# KiCad board ECB-4PIO.kicad_pcb (continued)
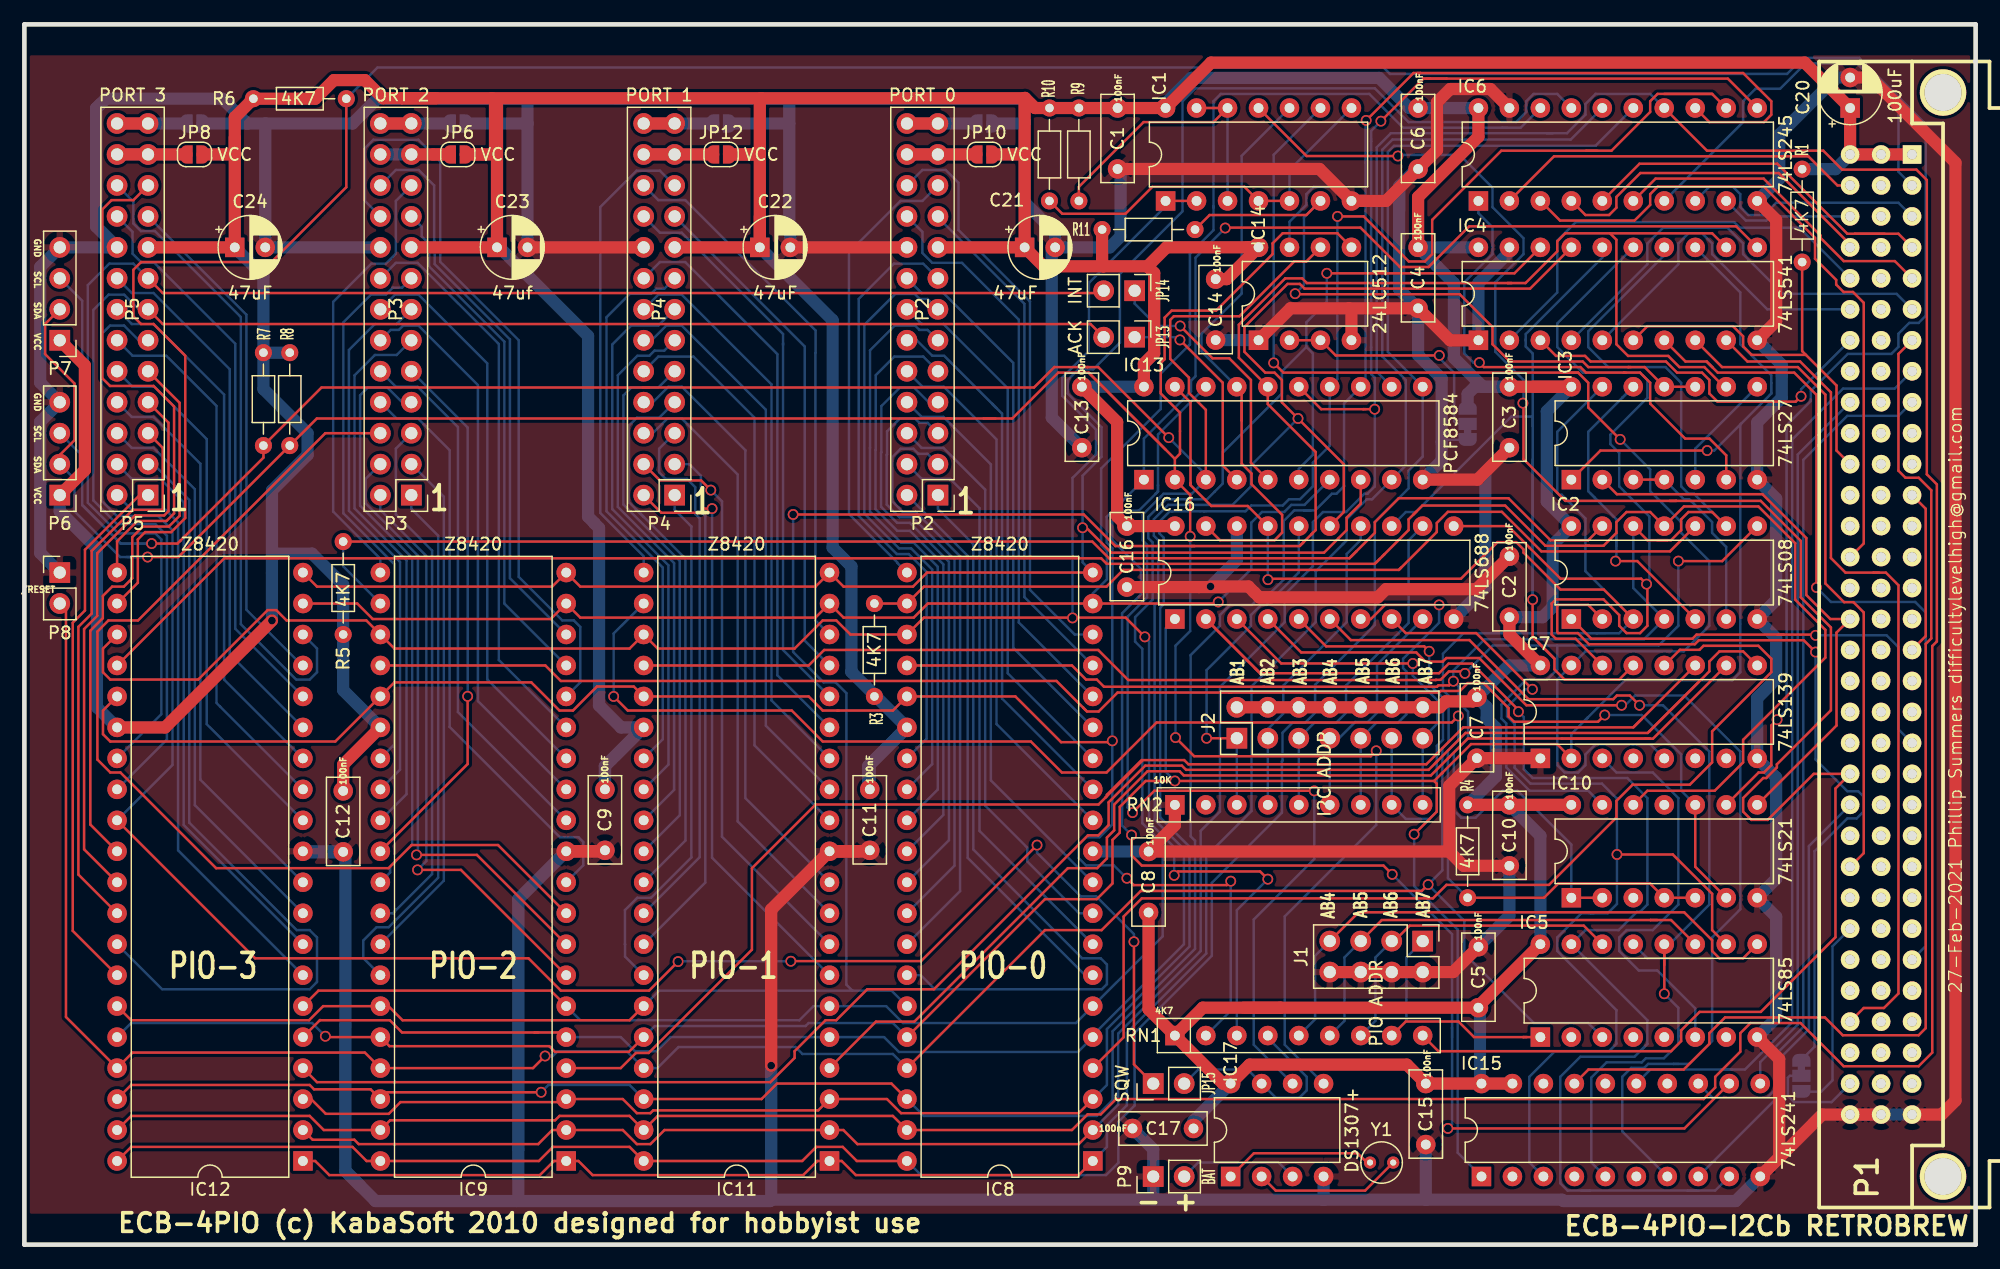
[diagram p0: board, top side]
## Routing (per net, layer and track width the routed paths; a pad name or vN(x,y) marks a point on that pad's centre or on a via; arc(x,y) is an arc through that point) (continued)
  Vorderseite w1.016: 7.64,42.42 IC12.26
  Rückseite w1: P1.C1 148.5,88.2 R1.1 ; IC4.20 119.23,81.79 C4.1 ; JP1.3 118.34,69.76 118.94,70.36 C3.1 119.59,70.36 117.22,72.73 117.22,78.86 C4.1 ; 114.29,81.79 C4.1 ; R7.1 19.6,79.44 C24.1 ; R7.1 R8.1 ; R7.1 19.6,70.17 23.22,66.55 23.22,64.77 20.3,61.85 20.3,56.39 ; 20.3,56.39 20.58,56.67 23.59,56.67 26.14,54.12 R5.1 26.14,45.47 IC9.26 ; 20.3,56.39 v1(20.3,51.18) ; IC17.8 95.87,10.16 C17.1 ; IC15.20 119.36,13.33 119.36,19.43 ; IC1.14 93.58,93.6 95.67,95.69 111.09,95.69 113.56,93.22 C6.1 IC6.20 ; C23.1 38.96,81.79 46.22,74.52 46.22,59.7 46.74,59.18 46.74,59.16 47.12,58.78 47.12,44.22 ; R4.1 120.66,38.38 120.66,42.39 119.91,43.14 119.91,44.09 C7.1 121.71,47.5 IC7.16 ; IC12.26 5.95,44.07 5.95,57.09 2.9,60.13 P6.1 ; C22.1 66.28,75.82 66.28,57.16 67.82,55.62 ; IC3.14 124.84,68.35 124.84,60.94 IC2.14 125.32,57.39 125.32,52.28 124.49,51.46 C2.1 ; IC5.16 124.31,33.53 C10.1 ; IC8.26 69.32,39.37 C11.1 ; IC13.20 C13.1
  Rückseite w1.016: 47.12,44.22 48.92,42.42 IC11.26 47.6,39.24 C9.1 ; 69.19,37.34 69.19,39.24 IC8.26 67.82,46.97 67.82,55.62
/0A0: length 44.2
  Rückseite w0.203: P2.16 73.58,78.04 75.36,78.04 81.09,72.32 81.09,48.94 IC8.15
/0A1: length 44.2
  Rückseite w0.203: P2.14 73.58,75.5 75.36,75.5 80.63,70.23 80.63,46.86 IC8.14
/0A2: length 44.7
  Rückseite w0.203: P2.12 73.18,74.17 74.45,72.9 75.42,72.9 79.36,68.96 ; 79.36,68.96 80.17,68.15 80.17,44.78 IC8.13 ; 79.36,68.96 79.71,68.6
/0A3: length 44.2
  Rückseite w0.203: IC8.12 79.71,42.69 79.71,66.03 75.39,70.36 73.64,70.36 P2.10
/0A4: length 46.7
  Rückseite w0.203: P2.8 73.58,67.88 75.36,67.88 79.25,63.99 79.25,38.08 IC8.10
/0A5: length 47.4
  Rückseite w0.203: P2.6 73.58,65.34 75.36,65.34 78.79,61.92 78.79,36 82.24,32.55 82.24,31.42 86.48,27.18 IC8.9
/0A6: length 47.1
  Rückseite w0.203: IC8.8 78.32,33.93 78.32,60.4 75.92,62.8 73.58,62.8 P2.4
/0A7: length 46.1
  Rückseite w0.203: IC8.7 86.97,22.1 77.35,31.73 77.35,56.49 P2.2
/0ARDY: length 47.7
  Rückseite w0.203: IC8.18 86.12,50.04 82.46,53.7 82.46,77.35 76.59,83.21 76.59,87.09 75.55,88.14 73.64,88.14 P2.22
/0ASTB: length 47.1
  Rückseite w0.203: IC8.16 81.54,51.03 81.54,75.86 76.88,80.52 74.44,80.52 73.64,81.32 73.64,83.06 P2.20
/0B0: length 49.4
  Rückseite w0.203: IC8.27 73.98,41.49 73.98,55.17 72.52,56.63 71.54,56.63 68.41,59.76 68.41,77.56 71.3,80.45 73.7,80.45 P2.15
/0B1: length 49.4
  Rückseite w0.203: IC8.28 74.44,39.41 74.44,55.37 72.71,57.1 71.72,57.1 68.88,59.94 68.88,75.44 71.41,77.97 73,77.97 73.41,77.56 74.06,77.56 P2.13
/0B2: length 49.4
  Rückseite w0.203: IC8.29 74.9,37.33 74.9,55.59 72.92,57.57 71.9,57.57 69.34,60.13 69.34,65.34 69.34,65.35 69.34,73.35 71.37,75.37 73.03,75.37 73.39,75.02 74.06,75.02 P2.11
/0B3: length 49.4
  Rückseite w0.203: P2.9 73.7,72.83 71.34,72.83 69.81,71.3 69.81,65.17 69.79,65.15 69.79,60.32 71.57,58.54 72.61,58.54 75.35,55.8 75.35,35.24 IC8.30
/0B4: length 49.2
  Rückseite w0.203: IC8.31 75.81,33.16 75.81,56 72.61,59.2 71.56,59.2 70.25,60.51 70.25,64.97 70.27,64.99 70.27,68.77 71.79,70.29 72.95,70.29 74.15,69.09 P2.7
/0B5: length 49.2
  Rückseite w0.203: P2.5 74.06,67.4 73.39,67.4 73.03,67.75 71.79,67.75 70.74,66.7 70.74,64.81 70.71,64.78 70.71,60.7 71.75,59.65 72.82,59.65 76.27,56.2 76.27,31.08 IC8.32
/0B6: length 49.2
  Rückseite w0.203: IC8.33 76.73,28.99 76.73,56.45 73.06,60.11 72.02,60.11 71.16,60.96 71.16,64.59 71.86,65.28 72.89,65.28 73.31,64.86 74.06,64.86 P2.3
/0B7: length 63.8
  Rückseite w0.203: IC8.34 73.5,22.1 74.66,20.94 88.35,20.94 88.77,21.36 88.77,22.97 88.26,23.48 86.73,23.48 77.81,32.4 77.81,57.44 74.91,60.34 P2.1
/0BRDY: length 37.8
  Rückseite w0.203: P2.21 73.64,85.6 71.84,85.6 67.62,81.38 67.62,59.91 71.57,55.96 71.57,55.92 IC8.21
/0BSTB: length 42.1
  Rückseite w0.203: IC8.17 82,53.11 82,77.16 74.91,84.25 P2.19
/1A0: length 47
  Rückseite w0.203: IC11.15 61.75,46.69 61.75,73.03 54.19,80.58 52.11,80.58 P4.16
/1A1: length 46.7
  Rückseite w0.203: P4.14 51.99,77.91 53.9,77.91 61.26,70.55 61.26,44.64 IC11.14
/1A2: length 46.7
  Rückseite w0.203: IC11.13 60.8,42.56 60.8,68.47 53.9,75.37 52.63,75.37 51.43,74.17 P4.12
/1A3: length 47.2
  Rückseite w0.203: P4.10 51.99,72.83 54.85,72.83 59.87,67.82 59.87,40.95 IC11.12
/1A4: length 49.3
  Rückseite w0.203: IC11.10 59.12,36.61 59.12,65.15 53.92,70.36 52.81,70.36 51.54,69.09 P4.8
/1A5: length 49.2
  Rückseite w0.203: P4.6 51.53,66.55 52.73,67.75 53.9,67.75 58.49,63.17 58.49,34.71 IC11.9
/1A6: length 47.7
  Vorderseite w0.203: P4.4 52.11,62.67 55.49,62.67 v1(56.28,61.88)
  Rückseite w0.203: IC11.8 57.2,33.45 57.2,60.96 v1(56.28,61.88)
/1A7: length 48.6
  Vorderseite w0.203: v1(56.39,60.36) 55.76,60.36 55.42,60.02 52.23,60.02 P4.2
  Rückseite w0.203: v1(56.39,60.36) 56.39,31.73 IC11.7
/1ARDY: length 44.4
  Rückseite w0.203: P4.22 51.99,85.66 54.19,85.66 64.88,74.98 64.88,73.15 64.86,73.14 64.86,51.19 IC11.18
/1ASTB: length 46.8
  Rückseite w0.203: IC11.16 62.21,48.77 62.21,73.79 ; 62.21,73.79 62.21,73.9 ; 62.21,73.79 62.21,74.68 53.9,82.99 52.11,82.99 P4.20
/1B0: length 45.7
  Rückseite w0.203: IC11.27 52.35,41.45 52.35,55.53 47.73,60.15 47.73,76.06 49.65,77.98 51.39,77.98 51.81,78.4 52.47,78.4 P4.15
/1B1: length 45.5
  Rückseite w0.203: P4.13 51.99,75.37 49.76,75.37 48.2,73.82 48.2,60.32 52.81,55.71 52.81,39.37 IC11.28
/1B2: length 45.3
  Rückseite w0.203: P4.11 52.47,73.32 51.67,73.32 51.25,72.9 50.26,72.9 48.66,71.3 48.66,60.51 53.28,55.89 53.28,37.29 IC11.29
/1B3: length 45.6
  Rückseite w0.203: IC11.30 53.74,35.22 53.74,56.08 49.12,60.7 49.12,69.65 49.77,70.29 51.99,70.29 P4.9
/1B4: length 46.3
  Rückseite w0.203: IC11.31 54.21,33.14 54.21,56.26 50.78,59.68 ; 50.78,59.68 50.12,60.34 ; 50.78,59.68 49.57,60.89 49.57,67.16 50.23,67.82 52.05,67.82 P4.7
/1B5: length 44.2
  Rückseite w0.203: P4.5 52.05,65.28 52.05,63.33 52.58,62.8 54.33,62.8 55.01,62.12 55.01,59.92 55.37,59.57 55.37,31.77 IC11.32
/1B6: length 43.2
  Rückseite w0.203: P4.3 54.52,64.01 55.48,63.05 55.48,60.12 55.83,59.76 55.83,29.69 IC11.33
/1B7: length 43.5
  Rückseite w0.203: P4.1 53.32,60.27 54.69,58.9 54.69,31.76 51.39,28.45 50.26,28.45 49.24,27.43 49.24,24.64 49.26,24.63 49.26,23.62 IC11.34
/1BRDY: length 39.3
  Rückseite w0.203: P4.21 52.11,88.07 50.2,88.07 47.22,85.1 47.22,60.01 50.78,56.45 IC11.21
/1BSTB: length 42.1
  Rückseite w0.203: P4.19 63.99,73.66 63.99,49.53 IC11.17
/2A0: length 46.7
  Rückseite w0.203: IC9.15 38.9,47.95 38.9,73.86 32.24,80.52 30.46,80.52 P3.16
/2A1: length 46.7
  Rückseite w0.203: IC9.14 37.96,46.35 37.96,72.26 32.31,77.91 30.4,77.91 P3.14
/2A2: length 46.7
  Rückseite w0.203: IC9.13 37.19,44.58 37.19,70.49 32.31,75.37 31.06,75.37 30.7,75.02 30.04,75.02 P3.12
/2A3: length 44.2
  Rückseite w0.203: IC9.12 35.55,43.68 35.55,67.05 32.24,70.36 30.46,70.36 P3.10
/2A4: length 48.8
  Rückseite w0.203: IC9.10 45.83,31.12 45.83,33.02 45.43,33.41 43.91,33.41 34.87,42.46 34.87,65.16 32.27,67.75 30.52,67.75 P3.8
/2A5: length 85.7
  Vorderseite w0.203: IC9.9 38.84,32.77 31.76,32.77 29.86,30.87 15.72,30.87 7.87,38.72 7.05,38.72 5.99,39.78 5.99,50.28 6.9,51.19 9.32,51.19 24.67,66.55 P3.6
/2A6: length 49.7
  Vorderseite w0.203: v1(32.15,31.96) 37.1,31.96 IC9.8
  Rückseite w0.203: P3.4 27.98,62.8 27.98,60.79 32.27,56.51 32.27,32.08 v1(32.15,31.96)
/2A7: length 48.4
  Vorderseite w0.203: v1(32.24,30.73) 35.79,30.73 IC9.7
  Rückseite w0.203: P3.2 29.19,60.25 32.96,56.48 32.96,31.46 v1(32.24,30.73)
/2ARDY: length 46.8
  Rückseite w0.203: IC9.18 39.82,54.65 39.82,74.24 33.64,80.41 33.64,82.28 33.6,82.32 33.6,86.87 32.33,88.14 30.46,88.14 P3.22
/2ASTB: length 63
  Rückseite w0.203: IC9.16 45.59,46.11 45.59,50.66 45.05,51.19 44.1,51.19 40.53,54.76 40.53,74.17 34.1,80.6 34.1,88.82 32.31,90.61 28.61,90.61 27.93,89.93 27.93,85.59 P3.20
/2B0: length 45
  Rückseite w0.203: P3.15 30.97,78.49 30.21,78.49 29.64,77.91 28.43,77.91 26.16,75.64 26.16,59.98 30.35,55.79 30.35,41.03 IC9.27
/2B1: length 44.9
  Rückseite w0.203: P3.13 30.52,75.5 28.74,75.5 26.61,73.38 26.61,60.18 30.8,55.99 30.8,38.95 IC9.28
/2B2: length 45
  Rückseite w0.203: IC9.29 31.34,36.94 31.34,56.12 27.07,60.39 27.07,71.29 28.74,72.96 30.52,72.96 P3.11
/2B3: length 44.2
  Vorderseite w0.203: v1(36.35,44.97) 36.35,39.42 IC9.30
  Rückseite w0.203: v1(36.35,44.97) 36.35,67.01 P3.9
/2B4: length 47.8
  Rückseite w0.203: IC9.31 29.99,30.52 29.99,31 31.8,32.81 31.8,56.33 27.53,60.6 27.53,69.66 28.17,70.29 29.77,70.29 30.97,69.09 P3.7
/2B5: length 43.5
  Rückseite w0.203: IC9.32 30.22,27.18 33.43,30.39 33.43,56.93 30.46,59.9 30.46,65.28 P3.5
/2B6: length 42.6
  Rückseite w0.203: P3.3 34.39,61.34 34.39,29.84 IC9.33
/2B7: length 44
  Rückseite w0.203: IC9.34 27.79,23.5 27.79,24.95 28.86,26.02 29.86,26.02 33.93,30.1 33.93,58.14 31.73,60.34 P3.1
/2BRDY: length 36.7
  Rückseite w0.203: P3.21 30.46,85.6 30.46,81.27 29.64,80.45 28.46,80.45 25.32,77.32 25.32,60.12 29.19,56.25 IC9.21
/2BSTB: length 42.1
  Rückseite w0.203: IC9.17 39.36,52.57 39.36,74.05 33.19,80.22 33.19,82.09 32.58,82.69 32.58,83.48 P3.19
/3A0: length 44.2
  Rückseite w0.203: P5.16 8.81,78.04 10.59,78.04 16.83,71.8 16.83,48.43 IC12.15
/3A1: length 44.2
  Rückseite w0.203: P5.14 8.81,75.5 10.59,75.5 16.38,69.72 16.38,46.34 IC12.14
/3A2: length 44.8
  Rückseite w0.203: IC12.13 15.75,44.42 15.75,68.78 11.64,72.9 8.87,72.9 P5.12
/3A3: length 44.2
  Rückseite w0.203: P5.10 8.87,70.36 10.65,70.36 14.95,66.06 14.95,42.68 IC12.12
/3A4: length 46.7
  Rückseite w0.203: P5.8 8.81,67.88 10.59,67.88 14.43,64.04 14.43,38.13 IC12.10
/3A5: length 46.7
  Rückseite w0.203: P5.6 8.81,65.34 10.59,65.34 13.98,61.96 13.98,36.04 IC12.9
/3A6: length 47.1
  Rückseite w0.203: P5.4 8.81,62.8 11.15,62.8 13.06,60.89 13.06,34.42 IC12.8
/3A7: length 47.3
  Rückseite w0.203: IC12.7 12.6,32.33 12.6,59.23 11.57,60.26 8.81,60.26 P5.2
/3ARDY: length 52.8
  Rückseite w0.203: P5.22 8.93,85.53 8.93,83.75 9.56,83.12 10.7,83.12 17.75,76.07 17.75,50.88 22.29,46.34 23.39,46.34 24,46.94 24,48.88 IC12.18
/3ASTB: length 46.3
  Rückseite w0.203: IC12.16 17.29,50.51 17.29,73.88 10.65,80.52 9.62,80.52 8.87,81.27 8.87,83.06 P5.20
/3B0: length 129.7
  Vorderseite w0.203: 88.5,78.23 88.31,78.04 11.35,78.04 P5.15
  Rückseite w0.203: IC12.27 11.23,43.51 11.23,57.83 10.74,58.33 7.71,58.33 5.2,60.84 5.2,78.69 6.96,80.45 8.93,80.45 P5.15
/3B1: length 130.2
  Vorderseite w0.203: P5.13 11.35,75.5 87.42,75.5 88.5,74.42
  Rückseite w0.203: P5.13 9.39,76.71 8.18,77.91 6.91,77.91 5.66,76.66 5.66,61.03 7.59,59.1 10.73,59.1 11.69,58.14 11.69,41.43 IC12.28
/3B2: length 161.2
  Vorderseite w0.203: IC12.29 18.92,23.48 41.34,23.48 43.99,20.83 51.22,20.83 v1(53.6,23.21) ; JP15.1 90.98,14.78 v1(90.98,24.84) ; v1(62.84,23.24) 62.86,23.25 73.53,23.25 v1(83.04,32.77)
  Rückseite w0.203: P5.11 9.38,74.17 8.18,75.37 7.02,75.37 6.33,74.68 6.33,61.01 7.57,59.76 10.97,59.76 12.15,58.58 12.15,39.34 IC12.29 ; v1(62.84,23.24) 53.63,23.24 v1(53.6,23.21) ; v1(90.98,24.84) 90.98,25.47 87.89,28.56 86.61,28.56 83.04,32.14 v1(83.04,32.77)
/3B3: length 46.2
  Vorderseite w0.203: IC12.30 5.41,34.45 5.41,50.35 6.43,51.37 6.43,53.2 7.19,53.96 8.15,53.96 8.85,54.65 8.85,58.03 9.71,58.89 11.84,58.89 12.73,59.78 12.73,69.04 P5.9
/3B4: length 45.4
  Vorderseite w0.203: IC12.31 4.89,32.42 4.89,50.48 5.97,51.56 5.97,56.7 9.08,59.81 11.46,59.81 11.82,60.16 11.82,67.41 P5.7
/3B5: length 45.4
  Vorderseite w0.203: P5.5 11.35,65.34 11.35,60.33 11.27,60.26 8.89,60.26 5.52,56.89 5.52,51.75 4.43,50.67 4.43,30.35 IC12.32
/3B6: length 67.3
  Rückseite w0.203: P5.3 10.59,64.01 13.52,61.08 13.52,34.61 22.33,25.79 23.39,25.79 24,25.19 24,21.54 23.39,20.94 11.3,20.94 IC12.33
/3B7: length 43.8
  Vorderseite w0.203: P5.1 9.45,61.47 4.97,56.99 4.97,52.01 3.97,51.01 3.97,25.73 IC12.34
/3BRDY: length 42.2
  Vorderseite w0.203: P5.21 8.93,85.66 7.15,85.66 6.39,84.91 6.39,71.05 7.02,70.42 10.59,70.42 12.27,68.74 12.27,59.97 11.65,59.35 9.27,59.35 7.6,57.68 IC12.21
/3BSTB: length 42.1
  Rückseite w0.203: P5.19 18.2,76.26 18.2,52.07 22.77,47.5 IC12.17
//CE-PIO0: length 88.2
  Vorderseite w0.203: IC7.12 135.75,48.78 137.36,48.78 137.69,49.11 142.19,49.11 143.25,48.05 143.25,46.94 138.39,42.09 138.39,39.55 136.56,37.72 131.87,37.72 130.55,36.39 130.55,35.03 125.02,29.5 116.61,29.5 115.5,28.4 91.63,28.4 90.14,26.91 90.14,17.01 IC8.4
//CE-PIO1: length 115.6
  Vorderseite w0.203: 91.61,39.74 88.77,36.89 88.77,36.78 88.66,36.67 ; 88.66,36.67 88.08,36.09 64.88,36.09 59.66,30.87 59.66,24.19 51.19,15.72 50.15,15.72 48.9,14.48 IC9.4 ; 88.66,36.67 91.72,39.74 95.1,39.74 95.45,39.4 114.96,39.4 117.98,42.42 131.93,42.42 132.63,43.12 ; 132.63,43.12 IC7.11 ; 132.63,43.12 132,42.49
//CE-PIO2: length 97.6
  Vorderseite w0.203: 133.31,41.51 118.36,41.51 116.71,39.86 ; 132.92,41.49 133.54,41.49 IC7.10 ; 132.92,41.49 126.07,41.49 126.05,41.51 ; 132.92,41.49 133.29,41.49 ; 116.71,39.86 116.89,40.03 ; 116.71,39.86 115.34,38.48 95.07,38.48 94.73,38.82 92.1,38.82 89.36,36.09 89.36,33.98 88.77,33.38 88.77,31.67 87.97,30.87 85.56,30.87 72.98,18.29 69.83,18.29 IC11.4
//I/O-DECODE: length 107.4
  Vorderseite w0.203: v1(130.85,66.04) 128.23,68.66 128.23,70.68 127.4,71.51 ; 121.82,71.51 103.24,71.51 v1(102.44,72.31) ; 121.82,71.51 121.66,71.51 ; 121.82,71.51 127.4,71.51 ; 126.24,71.51 126.1,71.51 ; 125.95,71.51 127.4,71.51
  Rückseite w0.203: IC7.5 133.31,41.03 131.86,41.03 ; 131.86,41.03 132.19,41.03 ; 131.86,41.03 128.84,41.03 128.01,40.2 128.01,39.32 127.4,38.72 126.3,38.72 125.69,39.32 125.69,46.34 IC7.15 128.01,48.65 136.07,48.65 138.17,50.75 138.17,56.06 135.85,58.37 135.85,59.25 133.31,61.79 133.31,63.58 v1(130.85,66.04) ; IC1.9 102.44,89.38 v1(102.44,72.31)
//IORQ: length 259.5
  Vorderseite w0.203: IC8.36 83.69,28.33 87.94,28.33 89.22,29.62 89.22,33.19 89.82,33.79 89.82,35.9 91.95,38.02 v1(94.34,38.02) 115.6,38.02 ; 115.6,38.02 115.82,37.8 115.82,35.51 v1(113.96,33.66) ; 115.6,38.02 116.31,38.74 ; v1(137.99,65.13) 129.24,65.13 IC3.1 ; 116.31,38.74 118.62,41.05 125.68,41.05 IC7.2 ; 116.31,38.74 116.16,38.58 ; v1(24.68,17.09) 24.75,17.02 IC9.36 29.93,16.28 43.04,16.28 43.51,15.81 49.57,15.81 IC11.36
  Rückseite w0.203: 143.25,70.69 143.25,71.3 140.71,73.84 140.71,78.09 IC4.13 ; 143.25,70.69 143.25,69.8 ; 143.25,70.69 143.25,69.8 140.79,67.35 ; v1(137.99,65.13) 138.57,65.13 140.79,67.35 ; 128.2,43.23 131.25,46.28 140.04,46.28 140.71,46.94 140.71,60.97 ; 128.2,43.23 126.85,41.88 IC7.2 ; 128.2,43.23 127.92,42.94 ; 140.79,67.35 140.71,67.26 140.71,60.97 ; IC11.36 51.69,17.92 64.06,17.92 64.31,18.17 71.21,18.17 IC8.36 ; 140.71,60.97 140.71,61.25 ; IC12.36 8.76,18.17 23.59,18.17 v1(24.68,17.09) ; IC16.1 93.59,50.56 93.59,38.77 v1(94.34,38.02) ; v1(113.96,33.66) 113.96,29.4 117.53,25.84 117.53,7.54 IC15.1
//M1-PIO: length 293.9
  Vorderseite w0.203: P8.2 3.41,52.07 3.41,18.67 IC12.37 8.87,15.75 27.92,15.75 IC9.37 41.71,14.48 v1(42.7,15.47) ; 95.62,62.47 95.62,62.28 97.33,60.58 100.31,60.58 IC16.17 ; 95.62,62.47 95.62,62.35 ; 95.62,62.47 95.62,69.07 IC13.19 ; IC8.37 83.69,25.79 88.33,25.79 91.55,29.01 114.58,29.01 v1(115.11,29.53) ; IC2.3 129.52,53.72 125.96,53.72 122.93,56.76 122.93,57.01 122.33,57.61 120.8,57.61 117.8,54.61 102.04,54.61 v1(101.97,54.54)
  Rückseite w0.203: IC5.3 128.23,18.17 123.78,18.17 118.07,23.88 118.07,26.53 118.09,26.54 v1(115.11,29.53) 116.27,30.7 116.27,40.71 116.78,41.22 116.78,45.03 116.32,45.48 116.32,48.46 118,50.14 128.91,50.14 ; 129.6,50.14 128.91,50.14 ; 128.91,50.14 130.76,50.14 IC2.3 128.01,55.23 128.01,59.56 126.06,61.5 125.85,61.5 125.69,61.65 125.69,66.66 IC3.13 ; IC16.17 101.96,54.55 v1(101.97,54.54) ; IC8.37 71.21,15.63 63.8,15.63 63.23,16.21 53.64,16.21 51.91,14.48 IC11.37 49.4,15.86 43.72,15.86 43.33,15.47 v1(42.7,15.47)
//RD: length 239.4
  Vorderseite w0.203: IC3.9 139.37,70.36 137.75,71.97 135.71,71.97 134.8,72.89 131.5,72.89 130.55,73.84 130.55,82.41 130.02,82.94 ; IC11.35 49.62,18.4 31.01,18.4 29.85,19.56 IC9.35 24.5,19.56 23.34,18.4 8.76,18.4 IC12.35 ; 105.55,58.26 105.66,58.37 ; 105.55,58.26 105.88,58.6 105.88,65.01 101.96,68.93 IC13.16 ; 105.55,58.26 104.91,57.63 ; 121.95,78.86 121.64,78.86 ; 121.64,78.86 105.16,78.86 104.78,79.25 103.39,79.25 99.59,75.45 99.59,72.73 IC13.16 ; 121.64,78.86 123.09,78.86 125.69,81.46 125.69,82.28 126.36,82.94 130.02,82.94 ; 104.91,57.63 104.57,57.29 95.72,57.29 ; 104.91,57.63 104.6,57.32 ; 130.02,82.94 138.39,82.94 IC4.12 ; 95.72,57.29 89.46,57.29 86.87,59.88 v1(63.04,59.88) ; 95.72,57.29 95.98,57.29 ; IC13.16 102.35,69.96
  Rückseite w0.203: v1(63.04,59.88) 63.04,48.61 65.53,46.11 66.52,46.11 67.4,45.23 67.4,21.32 67.89,20.83 ; IC11.35 52.05,20.83 67.89,20.83 ; 67.89,20.83 71.1,20.83 IC8.35 ; 102.58,70.28 102.58,70.03
/AB0: length 170.1
  Vorderseite w0.203: IC9.6 43.16,20.83 24.11,20.83 IC12.6 ; v1(106.8,79.66) 122.18,79.66 IC4.18
  Rückseite w0.203: 105.12,73.62 105.65,73.09 105.65,64.78 104.5,63.63 IC13.6 ; 105.12,73.62 105.12,75.64 106.8,77.31 v1(106.8,79.66) ; 105.12,73.62 103.11,71.61 103.11,69.8 98.26,64.95 98.26,62.41 96.98,61.13 93.61,61.13 92.16,59.68 92.16,57.95 92.51,57.59 92.51,52.9 91.08,51.46 91.08,49.46 91.67,48.86 91.67,34.56 93.34,32.89 93.34,25.29 IC8.6 86.23,18.17 72.04,18.17 70.66,19.56 IC11.6 64.7,19.56 63.55,18.4 45.59,18.4 IC9.6
/AB1: length 181.7
  Vorderseite w0.203: 41.83,17.4 44.05,17.4 IC9.5 ; 41.83,17.4 30.97,17.4 29.96,18.4 24.25,18.4 24.24,18.42 IC12.5 ; 41.83,17.4 42.14,17.4 ; IC16.15 108.19,60.08 108.19,64 v1(104.44,67.75) 103.11,69.08 103.11,70.91 102.51,71.51 101.75,71.51 100.04,73.22 100.04,75.26 103.58,78.79 104.59,78.79 104.97,78.4 123.47,78.4 IC4.17
  Rückseite w0.203: v1(104.44,67.75) 100.57,63.89 100.57,62.18 99.06,60.67 93.79,60.67 92.61,59.49 92.61,58.14 92.97,57.78 92.97,52.71 92.68,52.42 92.68,34.85 95.08,32.44 95.08,24.64 87.61,17.17 IC8.5 86.39,15.8 71.71,15.8 70.49,17.02 IC11.5 52.99,17.02 51.84,15.86 50.06,15.86 48.9,17.02 IC9.5
/AB2: length 75.7
  Vorderseite w0.203: 125.47,48.05 124.12,49.4 ; 125.47,48.05 123.68,49.84 v1(123.68,52.9) ; 125.47,48.05 125.47,47.17 126.3,46.34 130.77,46.34 IC7.13
  Rückseite w0.203: 123.11,74.23 123.11,74.67 129.39,80.96 IC4.16 ; 123.11,74.23 123.11,74.1 ; 123.11,74.23 123.11,73.66 123.68,73.09 123.68,70.1 ; 123.67,64.41 v1(123.68,52.9) 123.68,67.12 ; 123.68,70.1 123.68,70.81 ; 123.68,70.1 123.68,67.12 ; 123.68,67.12 123.68,67.82 123.58,67.91 121.93,67.91 114.1,60.08 113.28,60.08 IC16.13
/AB3: length 78.3
  Vorderseite w0.203: IC7.14 127.19,49.7 125.58,49.7 125.24,50.03 125.24,52.58 125.58,52.92 127.64,52.92 ; 127.64,52.92 128.33,52.92 ; 127.64,52.92 129.49,52.92 130.77,51.63 130.77,50.75 131.38,50.15 132.48,50.15 133.09,50.75 133.09,54.1 v1(133.02,54.17) 132.57,54.61 125.96,54.61 123.39,57.19 123.39,57.2 121.66,58.93 IC16.11
  Rückseite w0.203: v1(133.02,54.17) 133.25,54.4 133.25,59.71 130.77,62.18 130.77,64.93 130.05,65.66 130.05,66.42 133.09,69.46 133.09,70.91 132.48,71.51 127.79,71.51 125.69,73.61 125.69,75.55 IC4.15
/AB4: length 88
  Vorderseite w0.203: v1(130.59,32) 135.17,32 138.39,28.77 138.39,25.79 IC5.10 ; v1(123.66,45.55) 119.05,50.15 113.28,50.15 IC16.8
  Rückseite w0.203: IC15.3 123.4,6.74 123.4,13.76 125.51,15.86 129.94,15.86 130.55,16.46 130.55,19.23 125.69,24.08 125.69,25.19 127.68,27.18 128.44,27.18 ; 128.25,27.18 128.69,27.18 ; 128.44,27.18 128.67,27.18 ; 128.44,27.18 129.83,27.18 130.59,27.94 v1(130.59,32) 130.59,36.58 129.36,37.81 123.49,37.81 122.2,39.1 122.2,42.71 121.58,43.33 121.58,44.1 123.03,45.55 v1(123.66,45.55)
/AB5: length 81.2
  Vorderseite w0.203: v1(134.47,20.57) 134.47,24.64 IC5.12 134.47,22.93 ; v1(132.44,44.23) 131.64,45.03 130.59,45.03 130.29,44.74 123.33,44.74 118.49,49.58 108.77,49.58 IC16.6
  Rückseite w0.203: IC5.12 134.91,24.64 138.17,27.89 138.17,40.43 134.36,44.23 v1(132.44,44.23) ; 135.63,17.07 135.63,17.62 ; 135.63,17.07 135.63,16.46 134.44,15.28 132.96,15.28 132.63,14.95 129.74,14.95 128.48,13.7 128.48,6.74 IC15.5 ; 135.63,17.07 135.63,19.42 v1(134.47,20.57)
/AB6: length 94.5
  Vorderseite w0.203: v1(130.97,44.23) 123.16,44.23 119.29,48.11 116.6,48.11 116.3,47.81 114.88,47.81 114.13,48.57 104.7,48.57 IC16.4
  Rückseite w0.203: IC5.13 133.09,23.48 138.33,23.48 138.39,23.54 ; 131.11,44.07 132.07,45.03 136.1,45.03 140.71,40.43 140.71,27.5 138.39,25.19 138.39,23.54 ; 135.21,14.82 136.52,14.82 138.39,16.69 138.39,23.54 ; 135.21,14.82 133.15,14.82 132.82,14.49 131.75,14.49 131.02,13.76 131.02,9.28 IC15.7 ; 135.21,14.82 135.63,14.82
/AB7: length 113.2
  Vorderseite w0.203: 101.33,46.86 IC16.2 100.91,47.28 ; 101.33,46.86 116,46.86 116.79,47.65 118.71,47.65 122.51,43.85 v1(122.51,43.7) ; 101.33,46.86 100.91,47.28 ; 100.91,47.28 101.17,47.02
  Rückseite w0.203: 137.25,4.43 136.39,4.43 ; 136.39,4.43 138.64,4.43 IC15.9 ; 136.39,4.43 128.36,4.43 ; 133.09,16.46 133.09,18.4 IC5.15 128.01,25.79 130.73,25.79 132.23,27.29 132.48,27.29 133.09,27.89 133.09,36.62 131.44,38.27 123.68,38.27 122.95,38.99 122.95,43.26 v1(122.51,43.7) ; 133.09,16.46 132.03,15.41 127.59,15.41 125.94,13.76 125.94,5.03 126.55,4.43 128.36,4.43 ; 133.09,16.46 132.48,15.86 ; 128.36,4.43 127.7,4.43
/B_/BAI: length 13.6
  Vorderseite w0.203: P1.A12 155.91,60.35 155.91,49.91 154.79,48.79 P1.A17
/B_/INT: length 163.1
  Vorderseite w0.203: 112.76,89.41 v1(112.63,89.28) 105.14,89.28 IC1.11 ; RN1.9 115.94,15.86 135.02,15.86 135.85,16.69 135.85,17.57 137.37,19.09 142.39,19.09 148.5,25.21 148.5,37.4 P1.C21 146.73,38.61 142.95,34.83 141.62,34.83 140.93,35.51 140.93,36.62 142.58,38.27 142.83,38.27 143.7,39.13 143.7,39.39 148.14,43.82 148.14,50.61 145.66,53.08 145.66,57.71 142.38,61 135.45,61 ; v1(122.88,69.01) 122.93,68.96 122.93,64.42 126.35,61 135.45,61 ; 135.45,61 134.92,61
  Rückseite w0.203: v1(112.63,89.28) 112.72,89.37 117.69,89.37 120.39,86.68 120.39,85.08 122.93,82.54 122.93,81.23 120.61,78.92 120.61,73.22 122.93,70.91 122.93,69.06 v1(122.88,69.01)
/B_/IORQ: length 70
  Vorderseite w0.203: 137.94,72.43 136.21,72.43 IC4.7 ; 137.94,72.43 138.42,71.95 ; 137.94,72.43 138.42,71.95 ; 138.42,71.95 138.86,71.51 145.13,71.51 146.95,69.69 v1(146.95,53.89)
  Rückseite w0.203: 155.91,44.22 155.91,43.79 ; 155.91,43.79 155.91,51.84 155.05,52.71 148.14,52.71 v1(146.95,53.89) ; 155.91,43.79 155.91,24.49 P1.A27
/B_/M1: length 36.8
  Vorderseite w0.203: IC2.1 126.87,51.31 128.49,49.7 136.79,49.7 137.12,50.03 143.79,50.03 ; 144.28,50.03 143.79,50.03 ; 143.79,50.03 146.82,50.03 v1(146.88,49.97)
  Rückseite w0.203: v1(146.88,49.97) 152.7,49.97 153.67,49 153.67,42.27 P1.A20
/B_/PWCLR: length 16
  Rückseite w0.203: P1.C26 148.27,24.46 148.27,13.47 147.33,12.54 JP2.3
/B_/RD: length 53.5
  Vorderseite w0.203: P1.C24 150.83,32.11 150.83,51.84 149.98,52.69 149.21,52.69 147.68,54.23 147.68,69.71 145.42,71.97 139.21,71.97 IC4.8
/B_/RESET: length 77.8
  Vorderseite w0.203: IC2.2 128.23,52.46 125.77,52.46 125.69,52.39 125.69,50.22 125.77,50.15 127.38,50.15 128.3,49.24 136.97,49.24 137.31,49.57 145.9,49.57 v1(146.87,48.6)
  Rückseite w0.203: 148.89,12.39 P1.C31 148.19,11.69 145.11,11.69 144.61,12.19 144.61,13.69 144.76,13.84 JP2.2 145.71,15.14 146.79,16.22 146.79,32.26 149.48,34.95 150.25,34.95 150.83,35.53 150.83,36.73 150.37,37.19 149.48,37.19 146.87,39.79 v1(146.87,48.6)
/B_AB0: length 36.4
  Rückseite w0.203: P1.C5 145.56,83.4 140.67,83.4 140.21,83.86 127.21,83.86 125.69,82.34 125.69,78.09 IC4.2
/B_AB1: length 30.6
  Vorderseite w0.203: IC4.3 125.59,72.89 127.97,72.89 128.43,72.43 134.61,72.43 135.52,71.51 137.56,71.51 138.17,70.91 138.17,69.8 138.84,69.13 145.24,69.13 v1(145.69,69.57)
  Rückseite w0.203: v1(145.69,69.57) 145.69,70.14 P1.C7
/B_AB2: length 36.1
  Rückseite w0.203: P1.A6 153.52,77.98 144.19,77.98 140.93,81.23 140.93,82.11 139.65,83.4 134.37,83.4 133.09,82.11 133.09,80.4 IC4.4
/B_AB3: length 28.1
  Rückseite w0.203: IC4.5 135.63,80.4 135.63,82.11 136.46,82.94 137.56,82.94 138.39,82.11 138.39,81.23 142.92,76.71 P1.C6
/B_AB4: length 91.2
  Vorderseite w0.203: IC15.17 128.26,14.36 136.06,14.36 138.17,16.46 138.17,17.34 139.45,18.63 147.64,18.63 149.1,17.17 155.33,17.17 155.91,17.75 155.91,49.26 156.36,49.72 156.36,61.86 155.34,62.89 154.25,62.89 153.67,63.47 153.67,73.05 P1.A7
/B_AB5: length 75.7
  Rückseite w0.203: IC15.15 133.34,14.36 139.16,14.36 ; 140.02,14.36 139.16,14.36 ; 139.16,14.36 141.09,14.36 144.96,18.23 144.96,66.03 149.13,70.21 153.37,70.21 P1.A8
/B_AB6: length 70.5
  Rückseite w0.203: P1.A9 153.67,67.97 149.48,67.97 145.87,64.36 145.87,17.85 143.67,15.65 143.67,12.82 142.89,12.05 138.42,12.05 IC15.13
/B_AB7: length 58.9
  Rückseite w0.203: P1.C9 145.41,64.79 145.41,18.04 142.34,14.97 IC15.11
/B_DB0: length 30.4
  Vorderseite w0.203: IC6.2 125.43,89.26 146.28,89.26 148.67,86.87 P1.C2
/B_DB1: length 55.3
  Vorderseite w0.203: IC6.3 125.92,83.99 132.03,83.99 133.31,85.27 133.31,86.15 133.93,86.77 142.63,86.77 146.83,82.57 146.83,80.85 148.57,79.12 148.57,78.74 149.17,78.13 149.94,78.13 150.83,77.24 150.83,57.51 P1.C14
/B_DB2: length 27.9
  Vorderseite w0.203: IC6.4 128.01,84.44 129.94,84.44 130.55,85.04 130.55,85.92 132.51,87.88 143.85,87.88 149.71,82.03 P1.C4
/B_DB3: length 31.9
  Vorderseite w0.203: 152.53,82.91 150.09,82.91 ; 150.09,82.91 149.48,82.91 143.74,88.65 132.44,88.65 IC6.5 ; 150.09,82.91 153.67,82.91 P1.A4
/B_DB4: length 27.1
  Vorderseite w0.203: P1.A5 153.38,80.66 149.19,80.66 147.29,82.56 147.29,82.76 142.62,87.43 133.76,87.43 IC6.6
/B_DB5: length 33.3
  Rückseite w0.203: P1.A2 153.67,87.99 153.67,93.47 150.27,96.87 146.04,96.87 143.96,94.79 141.95,94.79 140.93,93.77 140.93,92.06 IC6.7
/B_DB6: length 20.7
  Rückseite w0.203: IC6.8 138.17,86.75 140.1,86.75 140.71,86.15 140.71,85.09 141.35,84.44 142.64,84.44 143.65,85.45 153.67,85.45 P1.A3
/B_DB7: length 11
  Rückseite w0.203: IC6.9 141.16,83.99 142.83,83.99 143.18,84.33 P1.C3
/B_IEI: length 34.3
  Vorderseite w0.203: IC4.6 133.09,75.32 140.1,75.32 140.93,74.49 140.93,73.68 141.64,72.97 146.09,72.97 ; 146.09,72.97 148.59,70.46 148.59,65.13 P1.C11 ; 146.09,72.97 145.78,73.28 R1.2
/B_IEO: length 46.4
  Vorderseite w0.203: IC10.8 148.59,42.57 148.59,50.19 P1.C16 ; P1.C16 149.6,51.42 ; P1.C16 148.09,51.31 146.12,53.27 146.12,57.95 142.52,61.54 130.58,61.54 IC3.2
/B_PHI: length 69.3
  Vorderseite w0.203: 151.62,55.11 149.33,55.11 148.14,56.31 148.14,69.9 145.61,72.43 141.29,72.43 IC4.9 ; 151.62,55.11 152.64,55.11 153.67,54.08 153.67,20.6 152.48,19.41 150.83,19.41 P1.C29 ; 151.62,55.11 152.11,55.11
/B_~{WR}: length 35.6
  Rückseite w0.203: IC15.8 144.15,12.48 144.15,15.48 146.33,17.66 146.33,32.69 P1.C22
/DB0: length 169.3
  Vorderseite w0.203: IC12.19 27.3,52.58 28.57,51.31 43.16,51.31 IC9.19 45.59,51.42 64.86,51.42 IC11.19 67.18,51.42 72.92,51.42 74.08,52.58 IC8.19 97.77,52.58 v1(97.9,52.71)
  Rückseite w0.203: 95.92,81.61 95.56,81.25 ; 95.92,81.61 95.57,81.27 95.57,73.83 95.51,73.76 ; 95.92,81.61 97.5,83.2 97.5,85.17 ; 121.18,91.61 122.7,91.61 IC6.18 ; 121.18,91.61 113.05,91.61 110.28,94.37 98.1,94.37 97.5,93.77 97.5,85.17 ; 121.18,91.61 121.56,91.61 ; 95.51,73.76 95.57,73.83 ; 95.51,73.76 93.18,71.44 93.18,68.54 88.29,63.65 88.29,57.39 88.77,56.92 88.77,54.56 87.61,53.41 IC8.19 ; IC13.7 104.97,60.67 103.89,60.67 103.31,60.09 101.49,60.09 100.61,59.21 100.61,55.41 v1(97.9,52.71) ; 97.5,85.17 97.5,85.04
/DB1: length 176.3
  Vorderseite w0.203: IC8.20 74.02,55.12 72.87,53.96 67.18,53.96 IC11.20 64.86,53.96 45.59,53.96 IC9.20 43.27,53.96 24,53.96 IC12.20 ; IC13.8 109.58,60.77 108.43,59.62 108.43,58.6 106.57,56.75 89.13,56.75 87.09,58.79 v1(86.77,58.79)
  Rückseite w0.203: IC8.20 86.77,55.96 v1(86.77,58.79) 86.77,63.06 88.33,64.61 88.33,67.03 85.56,69.8 85.56,70.91 86.43,71.79 87.65,71.79 89.83,73.97 89.83,79.61 94.96,84.74 94.96,93.77 96.02,94.83 110.74,94.83 113.51,92.06 122.32,92.06 123.15,92.89 123.15,93.77 123.76,94.37 125.69,94.37 IC6.17
/DB2: length 181.9
  Vorderseite w0.203: IC12.1 23.84,6.86 25,5.7 42.27,5.7 43.43,6.86 IC9.1 45.43,6.86 46.59,5.7 63.86,5.7 65.02,6.86 IC11.1 67.02,6.86 68.18,5.7 86.45,5.7 IC8.1
  Rückseite w0.203: 108.09,57.43 108.43,57.76 108.43,59.48 110.07,61.13 110.51,61.13 IC13.9 113.27,63.89 113.27,70.91 111.35,72.84 111.35,89.8 112.17,90.63 126.8,90.63 IC6.16 ; 108.09,57.43 108.2,57.53 ; 108.09,57.43 105.89,55.22 105.89,51.05 100.63,45.79 100.63,35.56 96.91,31.85 96.91,23.88 90.4,17.37 90.4,11.43 88.77,9.79 88.77,8.01 IC8.1
/DB3: length 202.5
  Vorderseite w0.203: IC8.40 68.26,6.86 67.1,8.01 64.94,8.01 63.78,6.86 IC11.40 49.62,8.01 43.35,8.01 42.19,6.86 IC9.40 28.06,6.86 26.9,8.01 8.76,8.01 IC12.40
  Rückseite w0.203: IC6.15 128.83,90.12 112.31,90.12 111.8,89.61 111.8,73.21 IC13.11 114.66,64.63 113.5,63.48 113.5,62.02 110.74,59.25 110.74,50.82 105.84,45.92 105.84,43.62 105.02,42.8 103.99,42.8 103.17,41.98 103.17,39.69 103.12,39.64 103.12,35.42 97.37,29.67 97.37,23.69 91.04,17.36 91.04,11.41 89.71,10.08 89.71,6.72 88.69,5.7 73.53,5.7 IC8.40
